# Altium PCB Annotated_PCB.PcbDoc (part 1 of 4)
Units mil, origin at the board's own origin, x right, y up, seen from the top; angles counter-clockwise.
Board outline 5551.18 x 866.13 mil, 4 copper layers (Top Layer, Mid-Layer 1, Mid-Layer 2, Bottom Layer); 219 components, 0 nets, 672 pads, 868 vias.
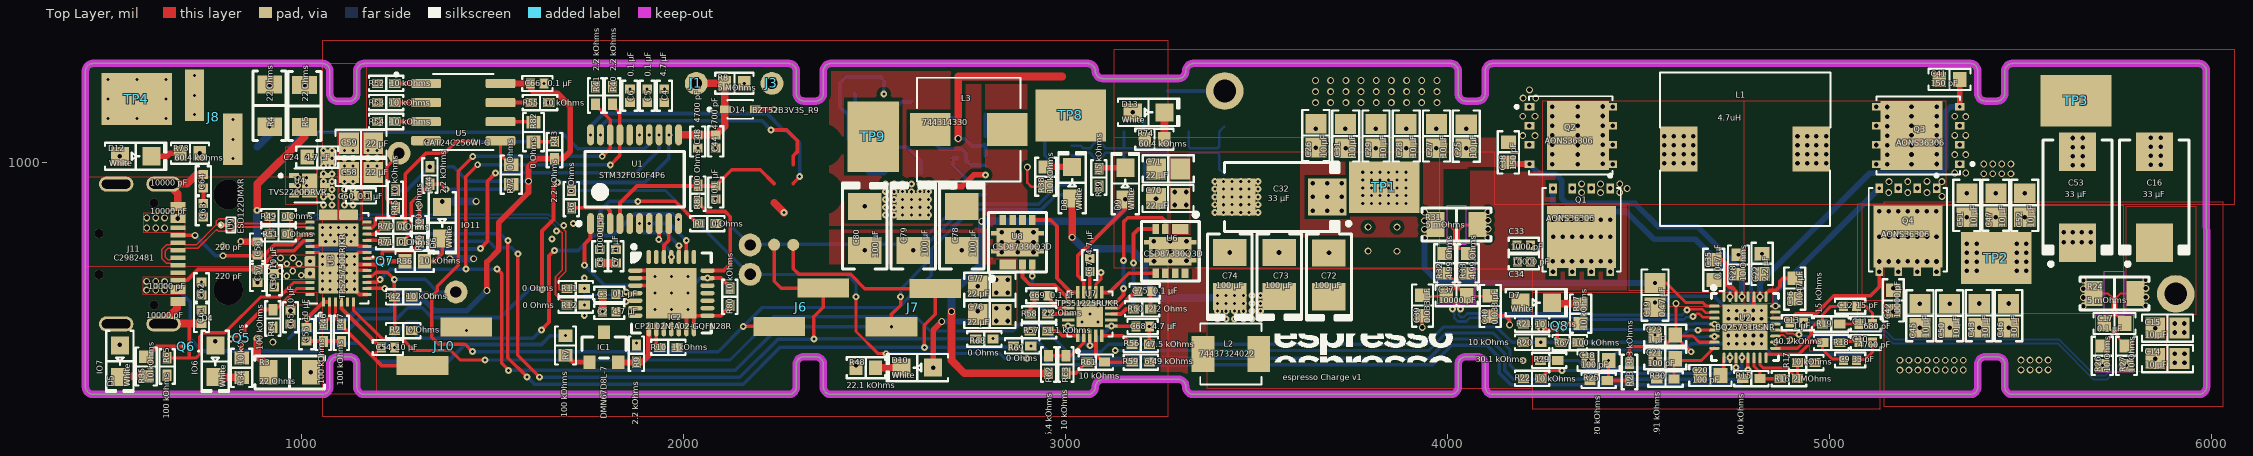
[diagram p0: Top Layer view]
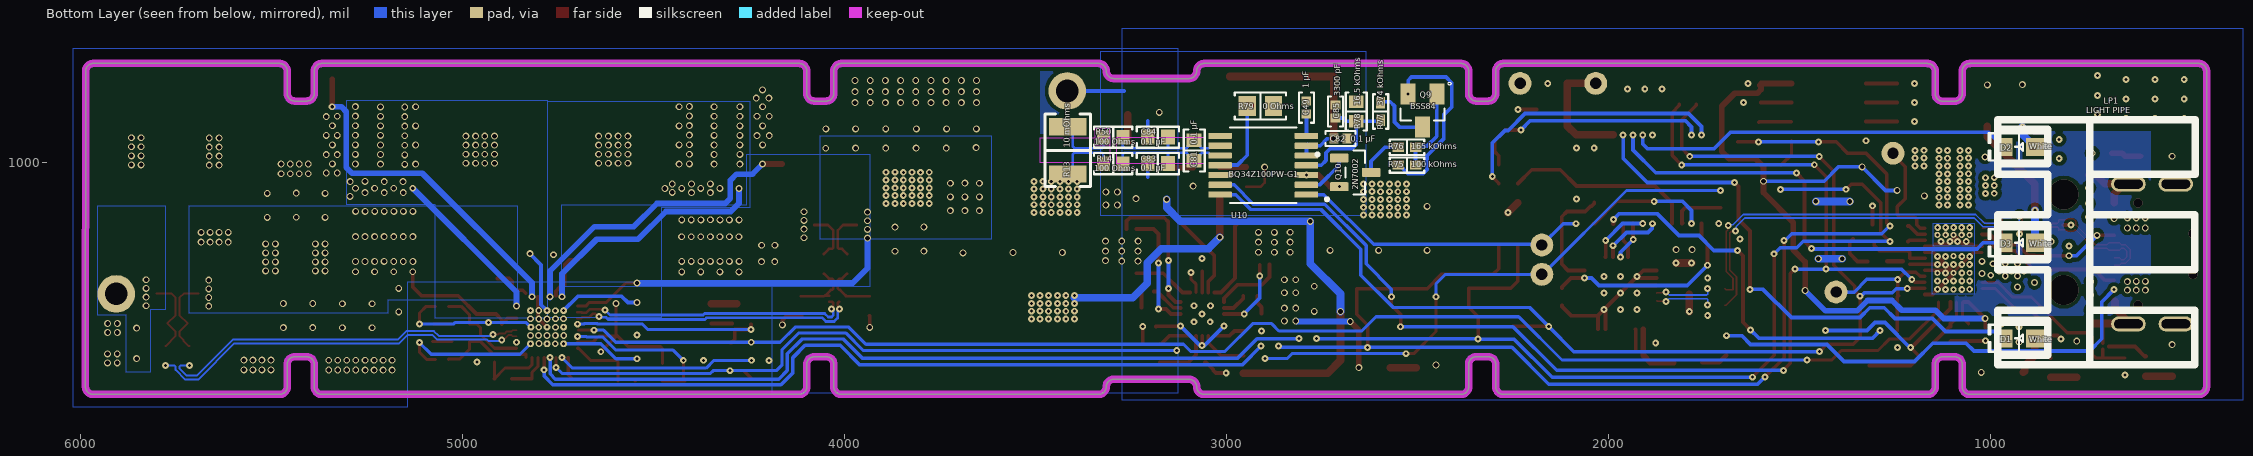
[diagram p1: Bottom Layer view, seen from below]
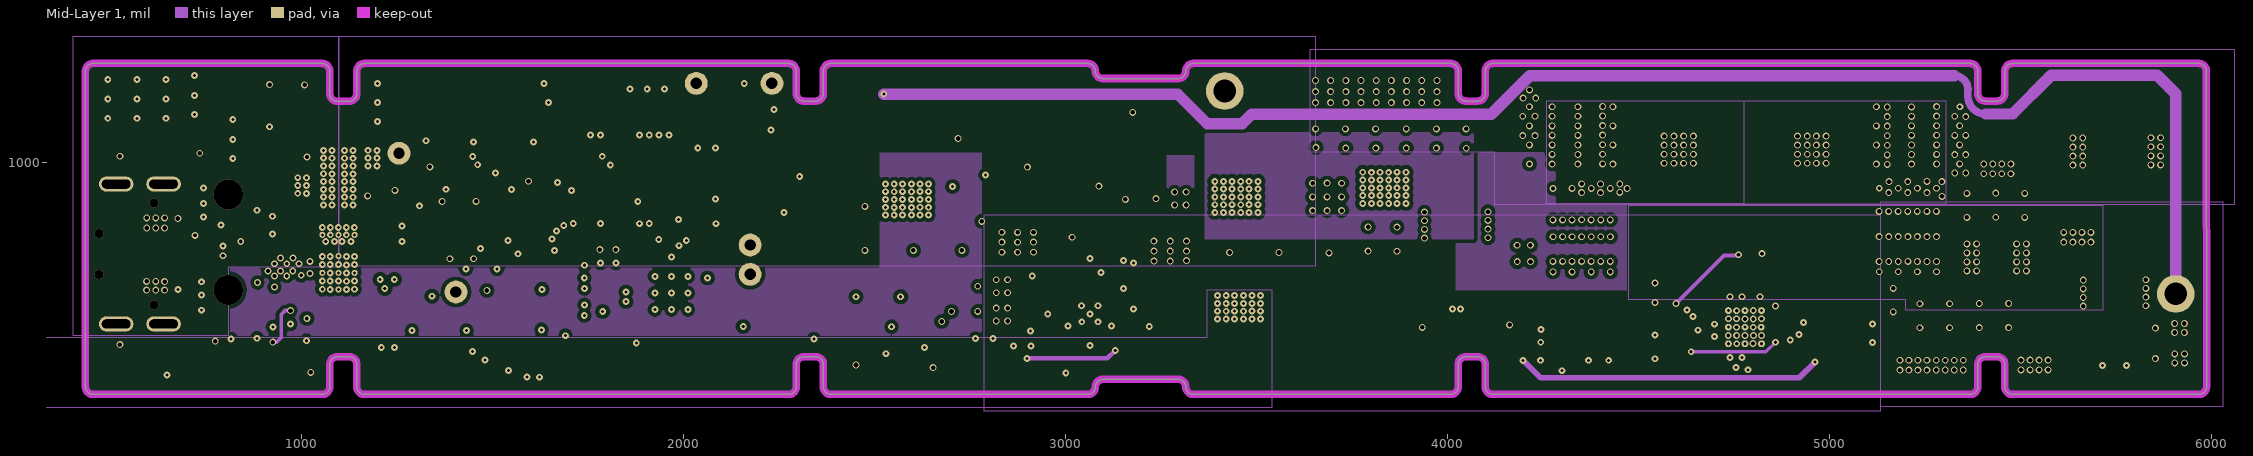
[diagram p2: Mid-Layer 1]
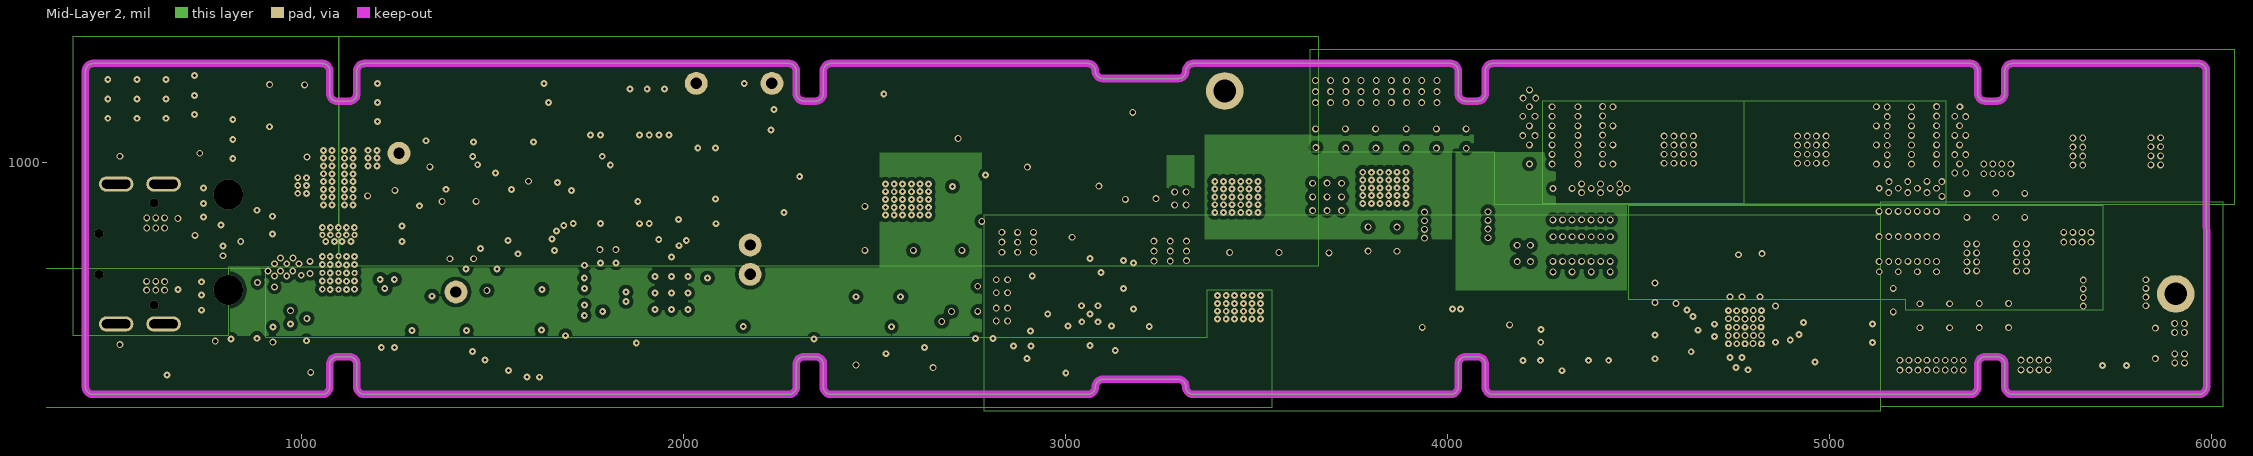
[diagram p3: Mid-Layer 2]

## Layer stack, top to bottom
Top Solder: solder mask 0.4, Solder Resist, Dk 3.5
Top Layer: signal copper 1.4
Dielectric 1: dielectric 12.6, FR-4, Dk 4.8
Mid-Layer 1: signal copper 1.4
Dielectric2: dielectric 12.6, FR-4, Dk 4.8
Mid-Layer 2: signal copper 1.4
Dielectric3: dielectric 12.6, FR-4, Dk 4.8
Bottom Layer: signal copper 1.4
Bottom Solder: solder mask 0.4, Solder Resist, Dk 3.5

## Board outline
455.11,394.02 1055.11,394.02 ccw(c1055.11,413.71) 1074.8,413.71 1074.79,413.71 1074.79,472.76 cw(c1094.48,472.76) 1094.48,492.45 1125.97,492.45 cw(c1125.97,472.76) 1145.66,472.76 1145.66,472.39 1145.66,413.71 ccw(c1165.34,413.71) 1165.34,394.02 2276.07,394.02 ccw(c2276.07,413.71) 2295.76,413.71 2295.75,413.71 2295.75,472.76 cw(c2315.44,472.76) 2315.44,492.45 2346.94,492.45 2346.93,492.45 cw(c2346.93,472.76) 2366.62,472.76 2366.62,413.71 ccw(c2386.3,413.71) 2386.3,394.02 3058.75,394.02 3058.78,393.99 ccw(c3058.78,413.68) 3078.46,413.68 cw(c3098.15,413.68) 3098.15,433.36 3295.62,433.36 cw(c3295.62,413.68) 3315.3,413.68 ccw(c3334.99,413.68) 3334.99,393.99 4008.32,393.99 4008.32,394.02 ccw(c4008.32,413.71) 4028.01,413.71 4028,413.71 4028,472.76 cw(c4047.69,472.76) 4047.69,492.45 4079.19,492.45 cw(c4079.19,472.76) 4098.87,472.76 4098.87,413.71 ccw(c4118.56,413.71) 4118.56,394.02 5368.1,394.02 ccw(c5368.1,413.71) 5387.78,413.71 5387.78,472.76 cw(c5407.46,472.76) 5407.46,492.45 5438.96,492.45 cw(c5438.96,472.76) 5458.65,472.76 5458.65,413.71 ccw(c5478.33,413.71) 5478.33,394.02 5966.92,394.02 ccw(c5966.92,413.71) 5986.6,413.71 5986.17,1240.44 ccw(c5966.53,1240.44) 5966.53,1260.08 5478.33,1260.08 5478.33,1260.04 ccw(c5478.33,1240.4) 5458.69,1240.4 5458.65,1240.44 5458.65,1181.38 5458.61,1181.38 cw(c5438.96,1181.38) 5438.96,1161.74 5438.96,1161.7 5407.47,1161.7 5407.43,1161.74 cw(c5407.43,1181.38) 5387.78,1181.38 5387.78,1240.44 5387.74,1240.44 ccw(c5368.1,1240.44) 5368.1,1260.08 4118.56,1260.08 ccw(c4118.56,1240.44) 4098.91,1240.44 4098.87,1240.48 4098.87,1181.42 4098.83,1181.42 cw(c4079.19,1181.42) 4079.19,1161.78 4079.19,1161.74 4047.69,1161.74 4047.65,1161.78 cw(c4047.65,1181.42) 4028,1181.42 4028,1240.48 4027.96,1240.48 ccw(c4008.32,1240.48) 4008.32,1260.12 3334.99,1260.12 ccw(c3334.99,1240.44) 3315.3,1240.44 cw(c3295.62,1240.44) 3295.62,1220.75 3098.15,1220.75 cw(c3098.15,1240.44) 3078.46,1240.44 ccw(c3058.78,1240.44) 3058.78,1260.12 2386.3,1260.12 ccw(c2386.3,1240.44) 2366.62,1240.44 2366.62,1181.38 cw(c2346.94,1181.38) 2346.94,1161.7 2315.44,1161.7 cw(c2315.44,1181.38) 2295.76,1181.38 2295.75,1181.75 2295.75,1240.44 2295.76,1240.44 ccw(c2276.07,1240.44) 2276.07,1260.12 1165.34,1260.12 1165.34,1259.83 ccw(c1165.34,1240.15) 1145.65,1240.15 1145.66,1240.15 1145.66,1181.09 cw(c1125.97,1181.09) 1125.97,1161.41 1094.48,1161.41 cw(c1094.48,1181.09) 1074.79,1181.09 1074.79,1181.46 1074.79,1240.15 ccw(c1055.11,1240.15) 1055.11,1259.83 1055.11,1260.08 455.11,1260.08 ccw(c455.11,1240.43) 435.46,1240.43 435.46,413.75 435.42,413.71 ccw(c455.11,413.71)

## Design rules (kind name [scope] priority, off if disabled: settings)
Clearance [All] p1: gap=10 ignorepadtopadclearanceinfootprint=FALSE except(0: Arc-Hole Track-Hole SMDPad-Hole THPad-Hole Via-Hole Fill-Hole Poly-Hole Region-Hole Text-Hole)
PolygonConnect [All] p1: connectstyle=Relief reliefconductorwidth=10 reliefentries=4 polygonreliefangle="90 Angle" airgapwidth=10
RoutingVias [All] p1: holewidth=28 width=50 viastyle="Through Hole" minholewidth=28 minwidth=50 maxholewidth=28 maxwidth=50
SolderMaskExpansion [All] p1: expansion=4
Width [All] p1: maxlimit=10 minlimit=10 preferedwidth=10
30 further rules are at their usual default settings.

## Components (designator, comment, footprint, x,y, rotation, side; value= is the part's Value field where it differs from the comment)
C1 "0.1 µF" "CAP 0402_1005" 2084.77,922.47 r90 top
C2 "4.7 µF" "CAP 0402_1005" 1806.44,610.75 r0 top
C3 "0.1 µF" "CAP 0402_1005" 1806.44,655.75 r0 top
C4 "4.7 µF" "CAP 0402_1005" 1950.57,1175.47 r270 top
C5 "0.1 µF" "CAP 0402_1005" 1905.57,1175.47 r270 top
C6 "0.1 µF" "CAP 0402_1005" 1860.57,1175.47 r270 top
C7 "1 µF" "CAP 0402_1005" 1823.76,755.52 r90 top
C8 "10000 pF" "CAP 0402_1005" 1781.74,755.52 r90 top
C9 "33 pF" "CAP 0402_1005" 5053.73,483.83 r180 top
C10 "4700 pF" "CAP 0402_1005" 5094.86,530.09 r180 top
C11 "680 pF" "CAP 0402_1005" 5094.87,578.27 r180 top
C12 "15 pF" "CAP 0402_1005" 5053.73,624.53 r180 top
C13 "1 µF" "CAP 0402_1005" 4914.36,581.75 r0 top
C14 "10 µF" "CAP 0805_2012" 5884.3,487.64 r180 top
C15 "10 µF" "CAP 0805_2012" 5884.3,567.37 r180 top
C16 "33 µF" "CAP POL 2917_7343" 5849.99,910.42 r90 top
C17 "0.1 µF" "CAP 0603_1608" 5745.56,579.71 r0 top
C18 "100 pF" "CAP 0603_1608" 4395.44,483.26 r0 top
C19 "0.47 µF" "CAP 0805_2012" 4543.3,653.99 r90 top
C20 "100 pF" "CAP 0603_1608" 4687.98,443.49 r0 top
C21 "100 pF" "CAP 0603_1608" 4569.87,487.31 r0 top
C22 "2.2 µF" "CAP 0603_1608" 4823.43,735.69 r270 top
C23 "1 µF" "CAP 0603_1608" 4569.87,548.99 r0 top
C24 "4.7 µF" "CAP 0603_1608" 1041.99,1015.07 r0 top
C25 "10 µF" "CAP 0805_2012" 4049.21,1069.76 r270 top
C26 "10 µF" "CAP 0805_2012" 3655.71,1071.35 r270 top
C27 "10 µF" "CAP 0805_2012" 3971.17,1070.21 r270 top
C28 "10 µF" "CAP 0805_2012" 3892,1070.21 r270 top
C29 "10 µF" "CAP 0805_2012" 3812.84,1070.21 r270 top
C30 "10 µF" "CAP 0402_1005" 929.85,692.77 r270 top
C31 "10 µF" "CAP 0805_2012" 3733.68,1070.21 r270 top
C32 "33 µF" "CAP POL 2917_7343" 3565.99,910.78 r180 top
C33 "1000 pF" "CAP 0402_1005" 4199.76,784.25 r0 top
C34 "10000 pF" "CAP 0402_1005" 4199.99,741.38 r0 top
C35 "0.047 µF" "CAP 0603_1608" 4696.99,719.99 r270 top
C36 "0.047 µF" "CAP 0603_1608" 4908.99,670.99 r270 top
C37 "10000 pF" "CAP 0603_1608" 4023.61,652.3 r180 top
C38 "150 pF" "CAP 0603_1608" 4159.44,1027.55 r270 top
C39 "0.033 µF" "CAP 0603_1608" 3934.7,626.41 r90 top
C40 "0.033 µF" "CAP 0603_1608" 4111.99,625.52 r90 top
C41 "150 pF" "CAP 0603_1608" 5313.97,1218.49 r0 top
C42 "10000 pF" "CAP 0603_1608" 5166.79,639.99 r90 top
C43 "10 µF" "CAP 0805_2012" 5391.78,600.3 r90 top
C44 "4700 pF" "CAP 0402_1005" 2084.78,1056.09 r90 top
C45 "10 µF" "CAP 0805_2012" 5236.27,599.82 r90 top
C46 "10 µF" "CAP 0805_2012" 5468.55,600.3 r90 top
C47 "10 µF" "CAP 0805_2012" 5435.03,889.11 r270 top
C48 "4700 pF" "CAP 0402_1005" 2037.99,1055.99 r90 top
C49 "1 µF" "CAP 0402_1005" 2791.17,1144.6 r270 bottom
C50 "10 µF" "CAP 0805_2012" 5314.03,599.82 r90 top
C51 "10 µF" "CAP 0805_2012" 5359.24,888.77 r270 top
C52 "10 µF" "CAP 0805_2012" 5510.82,888.77 r270 top
C53 "33 µF" "CAP POL 2917_7343" 5648.99,910.42 r90 top
C54 "10 µF" "CAP 0402_1005" 1226.99,516.72 r180 top
C55 "10 µF" "CAP 0402_1005" 1013.99,551.67 r90 top
C56 "220 pF" "CAP 0402_1005" 885.82,775.58 r90 top
C57 "220 pF" "CAP 0402_1005" 885.82,703.86 r270 top
C58 "22 µF" "CAP 0805_2012" 1156.62,974.6 r180 top
C59 "22 µF" "CAP 0805_2012" 1156.62,1051.37 r180 top
C60 "0.1 µF" "CAP 0402_1005" 1156.49,913.57 r0 top
C61 "10000 pF" "CAP 0402_1005" 739.15,596.99 r90 top
C62 "10000 pF" "CAP 0402_1005" 738.99,671.42 r270 top
C63 "10000 pF" "CAP 0402_1005" 743.99,875.99 r90 top
C64 "10000 pF" "CAP 0402_1005" 743.99,951.99 r270 top
C65 "10 µF" "CAP 0402_1005" 971.99,595.99 r270 top
C66 "0.1 µF" "CAP 0402_1005" 1618.1,1207.67 r180 top
C67 "4.7 µF" "CAP 0402_1005" 3063.97,732.73 r270 top
C68 "4.7 µF" "CAP 0402_1005" 3202.25,571.82 r180 top
C69 "0.1 µF" "CAP 0402_1005" 2936.91,651.93 r180 top
C70 "22 µF" "CAP 0805_2012" 3268.69,906.49 r0 top
C71 "22 µF" "CAP 0805_2012" 3269.18,984.24 r0 top
C72 "100 µF" "CAP POL 1411_3528" 3689.87,706.99 r90 top
C73 "100 µF" "CAP POL 1411_3528" 3559.2,707.9 r90 top
C74 "100 µF" "CAP POL 1411_3528" 3429.99,707.9 r90 top
C75 "0.1 µF" "CAP 0402_1005" 3207.49,664.17 r0 top
C76 "22 µF" "CAP 0805_2012" 2802.23,603.34 r0 top
C77 "22 µF" "CAP 0805_2012" 2802.23,677.16 r0 top
C78 "100 µF" "CAP POL 1411_3528" 2729.32,828.5 r270 top
C79 "100 µF" "CAP POL 1411_3528" 2602.35,828.5 r270 top
C80 "100 µF" "CAP POL 1411_3528" 2475.38,828.5 r270 top
C81 "0.1 µF" "CAP 0603_1608" 3084.99,1032.22 r270 bottom
C82 "0.1 µF" "CAP 0402_1005" 2701.99,1063.71 r0 bottom
C83 "0.1 µF" "CAP 0603_1608" 3179.99,997.92 r180 bottom
C84 "0.1 µF" "CAP 0603_1608" 3179.99,1067.22 r180 bottom
C85 "3300 pF" "CAP 0402_1005" 2714.99,1134.37 r270 bottom
D1 "White" "LED 0805_2012" 926.05,540.86 r0 bottom
D2 "White" "LED 0805_2012" 926.05,1041.84 r0 bottom
D3 "White" "LED 0805_2012" 926.05,790.86 r0 bottom
D4 "White" "LED 0805_2012" 775.19,480.31 r270 top
D5 "White" "LED 0805_2012" 525.54,480.81 r270 top
D6 "White" "LED 0805_2012" 1368.99,842.99 r270 top
D7 "White" "LED 0805_2012" 4232.38,633.9 r0 top
D8 "White" "LED 0805_2012" 3017.71,947.82 r90 top
D9 "White" "LED 0805_2012" 3156.95,945.8 r90 top
D10 "White" "LED 0805_2012" 2612.68,463.99 r180 top
D12 "White" "LED 0805_2012" 566.88,1017.24 r0 top
D13 "White" "LED 0805_2012" 3217.72,1132.15 r0 top
D14 "BZT52B3V3S_R9" DIO_BZT52B3V3S_R9 2148.99,1139.99 r0 top
IC1 "DMN67D8L-7" "DIODES SOT-23-3" 1792.42,517.12 r90 top
IC2 "CP2102N-A02-GQFN28R" "SILICON LABS QFN-28 5x5MM" 1968.87,659.12 r0 top
J1 "Large Board Solder Point" "LARGE SOLDER POINT" 2033.99,1207.99 r0 top
J3 "Large Board Solder Point" "LARGE SOLDER POINT" 2231.98,1207.99 r0 top
J6 "TSM-102-01-L-SV" TSM-102-01-L-SV 2308.99,621.99 r270 top
J7 "TSM-102-01-L-SV" TSM-102-01-L-SV 2602.35,620.99 r270 top
J8 "TSM-102-01-L-SV" TSM-102-01-L-SV 770.99,1119.08 r180 top
J10 "TSM-102-01-L-SV" TSM-102-01-L-SV 1374.99,519.99 r90 top
J11 "C2982481" GT-USB-7079A 614.19,761.44 r270 top
L1 "4.7uH" BMQADY1010404R7MA1 4778.99,1035.99 r0 top
L2 "74437324022" IND_74437324022 3432.99,499.99 r0 top value=2.2µH
L3 "744314330" IND_744314330 2747.04,1086.96 r180 top value=3.3µH
LP1 "LIGHT PIPE" "Dialight 515-1069F" 809.05,667.31 r270 bottom locked
Q1 "AONS36306" "DFN 5x6" 4351.17,824.6 r270 top
Q2 "AONS36306" "DFN 5x6" 4323.02,1071.84 r0 top
Q3 "AONS36306" "DFN 5x6" 5232.47,1071.79 r180 top
Q4 "AONS36306" "DFN 5x6" 5204.91,824.94 r270 top
Q5 "CSD15380F3T" TRXDFN69X60X35-3N 844.48,541.33 r270 top
Q6 "CSD15380F3T" TRXDFN69X60X35-3N 699.99,518.99 r180 top
Q7 "CSD15380F3T" TRXDFN69X60X35-3N 1218.99,741.99 r0 top
Q8 "CSD15380F3T" TRXDFN69X60X35-3N 4294.28,570.86 r90 top
Q9 "BSS84" SOT95P240X120-3N 2487.39,1136.68 r0 bottom
Q10 "2N7002" SOT95P240X111-3N 2663.59,974.99 r180 bottom
R1 "0 Ohms" "RES 0402_1005" 2062.99,840.76 r180 top
R2 "0 Ohms" "RES 0402_1005" 1266.99,560.99 r0 top
R3 "22 Ohms" "RES 1206_3216" 970.07,451.76 r0 top
R4 "22 Ohms" "RES 1206_3216" 917.57,1149.54 r90 top
R5 "22 Ohms" "RES 1206_3216" 1008.93,1148.99 r90 top
R6 "0 Ohms" "RES 0402_1005" 1706.99,904.99 r270 top
R7 "100 kOhms" "RES 0603_1608" 1691.99,521.99 r270 top
R8 "5 MOhms" "RES 0603_1608" 2133.99,1208.15 r180 top
R9 "2.2 kOhms" "RES 0402_1005" 1877.07,500.51 r270 top
R10 "1 kOhms" "RES 0402_1005" 1960.87,517.12 r180 top
R11 "0 Ohms" "RES 0402_1005" 1718.49,670.93 r0 top
R12 "0 Ohms" "RES 0402_1005" 1718.49,627.63 r0 top
R13 "10 mOhms" "RES 1210_3225" 3415.81,1032.84 r90 bottom
R14 "100 Ohms" "RES 0603_1608" 3296.99,997.92 r0 bottom
R15 "300 kOhms" "RES 0402_1005" 4795.27,435.03 r0 top
R16 "2 MOhms" "RES 0402_1005" 4893.69,435.03 r0 top
R17 "10 kOhms" "RES 0402_1005" 4938.97,477.34 r180 top
R18 "40.2 kOhms" "RES 0402_1005" 5004.52,530.09 r180 top
R19 "15 kOhms" "RES 0402_1005" 5004.32,578.27 r180 top
R20 "10 kOhms" "RES 0402_1005" 4221.45,530.5 r180 top
R21 "10 kOhms" "RES 0402_1005" 4221.45,577.75 r180 top
R22 "10 kOhms" "RES 0402_1005" 4221.45,436.01 r180 top
R23 "383 kOhms" "RES 0402_1005" 4476.37,452.75 r90 top
R24 "5 mOhms" "RES 1206_3216" 5745.56,658.45 r0 top
R25 "220 kOhms" "RES 0402_1005" 4395.75,430.44 r0 top
R26 "10 Ohms" "RES 0603_1608" 5714.06,495.07 r90 top
R27 "10 Ohms" "RES 0603_1608" 5777.05,495.07 r90 top
R28 "10 Ohms" "RES 0603_1608" 4761.86,733.82 r90 top
R29 "30.1 kOhms" "RES 0402_1005" 4266.17,483.26 r180 top
R30 "191 kOhms" "RES 0402_1005" 4570.45,434.12 r0 top
R31 "5 mOhms" "RES 1206_3216" 4023.61,838.29 r0 top
R32 "4.99 Ohms" "RES 0603_1608" 3993.1,736.91 r90 top
R33 "4.99 Ohms" "RES 0603_1608" 4054.12,736.91 r90 top
R34 "10 kOhms" "RES 0603_1608" 844.08,463.57 r270 top
R35 "10 kOhms" "RES 0603_1608" 594.44,467.06 r270 top
R36 "10 kOhms" "RES 0603_1608" 1296.99,742.12 r0 top
R37 "10 kOhms" "RES 0603_1608" 4348.42,605.3 r90 top
R38 "10 kOhms" "RES 0603_1608" 2948.81,963.57 r90 top
R39 "15 kOhms" "RES 0402_1005" 3087.59,961.6 r90 top
R40 "2.2 kOhms" "RES 0402_1005" 1814.95,1176.17 r90 top
R41 "2.2 kOhms" "RES 0402_1005" 1770.66,1176.17 r90 top
R42 "10 kOhms" "RES 0402_1005" 1267.01,649.16 r0 top
R43 "2.2 kOhms" "RES 0402_1005" 1662.99,1033.2 r270 top
R44 "2.2 kOhms" "RES 0402_1005" 1336.99,966.99 r90 top
R45 "10 kOhms" "RES 0402_1005" 1246.27,905.35 r90 top
R46 "100 kOhms" "RES 0402_1005" 1057.99,554.99 r90 top
R47 "100 kOhms" "RES 0402_1005" 1105.3,554.99 r90 top
R48 "22.1 kOhms" "RES 0603_1608" 2477.68,463.99 r0 top
R49 "0 Ohms" "RES 0402_1005" 940.82,859.24 r180 top
R50 "100 Ohms" "RES 0603_1608" 3296.99,1067.22 r0 bottom
R51 "0 Ohms" "RES 0402_1005" 940.82,813.95 r180 top
R52 "10 kOhms" "RES 0402_1005" 1222.43,1207.86 r180 top
R53 "10 kOhms" "RES 0402_1005" 1222.43,1157.47 r180 top
R54 "10 kOhms" "RES 0402_1005" 1222.43,1108.26 r180 top
R55 "10 kOhms" "RES 0402_1005" 1624.99,1157.47 r0 top
R56 "47.5 kOhms" "RES 0402_1005" 3197.25,525.26 r180 top
R57 "51.1 kOhms" "RES 0402_1005" 2930.99,560.3 r0 top
R58 "2.2 Ohms" "RES 0402_1005" 2931.29,604.87 r180 top
R59 "6.49 kOhms" "RES 0402_1005" 3197.48,478.21 r0 top
R60 "2.2 Ohms" "RES 0402_1005" 3200.99,617.82 r0 top
R61 "10 kOhms" "RES 0402_1005" 3079.71,478.21 r180 top
R62 "15.4 kOhms" "RES 0402_1005" 2956.08,472.36 r270 top
R63 "10 kOhms" "RES 0402_1005" 3001.08,472.35 r270 top
R64 "100 kOhms" "RES 0402_1005" 925.99,592.73 r90 top
R65 "100 kOhms" "RES 0402_1005" 648.99,467.06 r90 top
R66 "100 kOhms" "RES 0402_1005" 1309.99,815.93 r270 top
R67 "100 kOhms" "RES 0402_1005" 4319.99,529.69 r180 top
R68 "0 Ohms" "RES 0402_1005" 2787.99,538.99 r0 top
R69 "0 Ohms" "RES 0402_1005" 2886.99,520.99 r0 top
R70 "0 Ohms" "RES 0402_1005" 1240.99,834.99 r180 top
R71 "0 Ohms" "RES 0402_1005" 1240.99,793.99 r180 top
R72 "0 Ohms" "RES 0603_1608" 1549.99,969.31 r270 top
R73 "60.4 kOhms" "RES 0603_1608" 708.99,1025.12 r180 top
R74 "60.4 kOhms" "RES 0603_1608" 3233.14,1061.99 r0 top
R75 "100 kOhms" "RES 0402_1005" 2527.99,994.15 r0 bottom
R76 "165 kOhms" "RES 0402_1005" 2527.99,1040.83 r180 bottom
R77 "374 kOhms" "RES 0402_1005" 2596.99,1134.37 r90 bottom
R78 "16.5 kOhms" "RES 0603_1608" 2660.99,1134.37 r270 bottom
R79 "0 Ohms" "RES 0805_2012" 2911.53,1148.99 r0 bottom
R80 "10 kOhms" "RES 0402_1005" 2121.99,649.27 r90 top
R81 "100 Ohms" "RES 0402_1005" 2037.99,918.99 r90 top
R82 "0 Ohms" "RES 0603_1608" 1607.86,1080.53 r270 top
TP1 "5016" KEYSTONE_5016 3834.44,935.82 r180 top
TP2 "5016" KEYSTONE_5016 5436.01,750.97 r0 top
TP3 "5016" KEYSTONE_5016 5644.99,1162.99 r180 top
TP4 "5016" KEYSTONE_5016 569.99,1166.99 r0 top
TP8 "5016" KEYSTONE_5016 3013.99,1123.99 r180 top
TP9 "5016" KEYSTONE_5016 2497.04,1068.59 r270 top
U1 "STM32F030F4P6" TSOP65P640X120-20N 1872.62,957.13 r90 top
U2 "BQ25731RSNR" QFN40P400X400X80_HS-33N 4778.53,569.87 r0 top
U3 "TPS25750DRJKR" IC_TPS25750DRJKR 1097.62,750.16 r90 top
U4 "TVS2200DRVR" SON65P200X200X80-7N 1021.64,940.93 r0 top
U5 "CAT24C256WI-G" SOIC127P600X175-8N 1424.2,1132.86 r0 top
U6 "CSD87330Q3D" Q3D 3274.6,769.05 r90 top
U7 "TPS51225RUKR" QFN40P300X300X80-21N 3063.97,604.32 r90 top
U8 "CSD87330Q3D" Q3D 2874.9,792.31 r270 top
U9 "ESD122DMXR" IC_ESD122DMXR 815.99,837.18 r0 top
U10 "BQ34Z100PW-G1" SOP65P640X120-14N 2904.17,993.66 r0 bottom

## Footprints (in the part's own frame and the unit in brackets; to place one, negate y for a bottom-side part, rotate by r counter-clockwise, add the part's x,y. Pads: shape width x height; smd on the part's side, far side on the other; paste and mask are expansions set on the pad)
BMQADY1010404R7MA1 [mm]
  rect 2.5x3 smd: 1(-4.4,0) 2(4.4,0)
  silkscreen extent -5.65,-5.1 5.68,5.1, body extent -5.65,-5.1 5.65,5.1, height 3.8
"CAP 0402_1005" [mm] "Chip Capacitor, 2-Leads, Body 1.02x0.51mm, IPC Medium Density"
  rect 0.6x0.64 smd: 1(-0.44,0) 2(0.44,0)
  silkscreen extent -1,-0.5 1,0.5, body extent -0.5,-0.26 0.5,0.26, height 0.52
"CAP 0603_1608" [mm] "Chip Capacitor, 2-Leads, Body 1.60x0.80mm, IPC Medium Density"
  rect 0.9x1 smd: 1(-0.675,0) 2(0.675,0)
  silkscreen extent -1.4,-0.7 1.4,0.7, body extent -0.8,-0.41 0.8,0.41, height 0.82
"CAP 0805_2012" [mm] "Chip Capacitor, 2-Leads, Body 2.00x1.20mm, IPC Medium Density"
  rect 1.3x1.4 smd: 1(-0.8,0) 2(0.8,0)
  silkscreen extent -1.7,-0.9 1.7,0.9, body extent -1,-0.64 1,0.64, height 1.26
"CAP POL 1411_3528" [mm] "Molded Capacitor, 2-Leads, Body 3.50x2.80mm, IPC Medium Density"
  rect 1.8x2.23 smd: 1(-1.46,0) 2(1.46,0)
  silkscreen extent -3,-1.5 2.71,1.48, body extent -1.87,-1.45 1.86,1.45, height 2
"CAP POL 2917_7343" [mm] "Molded Capacitor, 2-Leads, Body 7.30x4.30mm, IPC Medium Density"
  rect 2.55x2.45 smd: 1(-3.025,0) 2(3.025,0)
  silkscreen extent -4.57,-2.3 3.8,2.3, body extent -3.65,-2.15 3.65,2.15, height 4.1
"DFN 5x6" [mm]
  rect 4.12x4.6 smd paste-3: D(0.46,0)
  rect 0.55x0.5 smd: D(2.795,1.905) D(2.795,-0.635) D(2.795,0.635) D(2.795,-1.905)
  rect 0.65x0.5 smd: G(-2.755,-1.905) S(-2.755,1.905) S(-2.755,-0.635) S(-2.755,0.635)
  silkscreen extent -3.7,-2.6 2.78,2.6, body extent -3.02,-2.75 3.03,2.75, height 0.95
"Dialight 515-1069F" [mil]
  silkscreen extent -445,-172 195,344
DIO_BZT52B3V3S_R9 [mm]
  rect 0.7x0.5 smd: A(1,0) C(-1,0)
  silkscreen extent -2.15,-0.63 0.85,0.63, body extent -1.25,-0.63 1.25,0.63, height 1.1
"DIODES SOT-23-3" [mm] "SOT23, 3-Leads, Body 2.90x2.40mm, Pitch 0.95mm, IPC Medium Density"
  rect 0.9x0.8 smd: 1(-1,0.95) 2(-1,-0.95) 3(1,0)
  silkscreen extent -0.7,-1.45 0.7,1.45, body extent -1.41,-1.45 1.41,1.45, height 1.5
GT-USB-7079A [mm]
  rrect100% 1x2.3 hole 1.9 slot 0.6 at 0 deg: 13(-4.65,0.65) 13(4.65,0.65) 14(-4.65,-2.5) 14(4.65,-2.5)
  rect 0.6x1 smd: A1(-3.16,1.6) A4(-2.36,1.6) A9(2.36,1.6) A12(3.16,1.6)
  rect 0.3x1 smd: A5(-1.25,1.6) A6(-0.75,1.6) A7(0.25,1.6) A8(1.25,1.6) B5(1.75,1.6) B6(0.75,1.6) B7(-0.25,1.6) B8(-1.75,1.6)
  body extent -5,-6 5,2.65, height 3.7
IC_ESD122DMXR [mm]
  rrect50% 0.2x0.2 smd mask+0: 1(-0.15,0) 2(0.15,-0.34) 3(0.15,0.34)
  silkscreen extent -0.75,-0.5 0.3,0.5, body extent -0.5,-0.3 0.5,0.3, height 0.4
IC_TPS25750DRJKR [mm]
  rrect40% 0.6x0.2 smd mask+0: 1(-2.9,1) 2(-2.9,0.6) 3(-2.9,0.2) 4(-2.9,-0.2) 5(-2.9,-0.6) 6(-2.9,-1)
  rrect40% 0.2x0.6 smd mask+0: 7(-2.4,-1.9) 8(-2,-1.9) 9(-1.6,-1.9) 10(-1.2,-1.9) 11(-0.8,-1.9) 12(-0.4,-1.9) 13(0,-1.9) 14(0.4,-1.9) 15(0.8,-1.9) 16(1.2,-1.9) 17(1.6,-1.9) 18(2,-1.9) 19(2.4,-1.9) 26(2.4,1.9) 27(2,1.9) 28(1.6,1.9) 29(1.2,1.9) 30(0.8,1.9) 31(0.4,1.9) 36(-1.6,1.9) 37(-2,1.9) 38(-2.4,1.9)
  rrect25% 0.7x1.253 smd paste-2 mask+0: 20_22(2.9,-0.677) 23_25(2.9,0.677)
  rrect25% 0.7x0.7 smd paste-1 mask+0: 32_33(-0.2,1.9) 34_35(-1,1.9)
  round 0.4 hole 0.2 mask+0: 39(-2.075,0) 39(-0.965,-1.075) 39(-0.965,0) 39(-0.965,1.075) 39(0.145,0) 40(1.56,-1.075) 40(1.56,0) 40(1.56,1.075)
  rrect5% 2.72x2.65 smd paste-2: 39(-0.965,0)
  rrect5% 1.53x2.65 smd paste-2: 40(1.56,0)
  silkscreen extent -3.85,-2 3,2
IND_744314330 [mm]
  rect 2.7x2.2 smd: 1(-2.55,0) 2(2.55,0)
  silkscreen extent -3.45,-3.45 3.45,3.45, body extent -3.45,-3.5 3.45,3.5, height 4.9
IND_74437324022 [mm]
  rect 1.5x2.4 smd: 1(-1.85,0) 2(1.85,0)
  silkscreen extent -2.03,-2.03 2.03,2.03
KEYSTONE_5016 [mm]
  rect 4.7x3.43 smd: TP(0,0)
  body extent -1.91,-1.42 1.91,1.42, height 2.29
"LARGE SOLDER POINT" [mil]
  round 60 hole 30: 1(0,0)
"LED 0805_2012" [mm] "Chip Diode, 2-Leads, Body 2.00x1.25mm, IPC Medium Density"
  rect 1.2x1.2 smd: 1(-1.05,0) 2(1.05,0)
  silkscreen extent -2.03,-0.9 2.03,0.9, body extent -1,-0.63 1,0.63, height 0.9
Q3D [mm] "Q3D"
  rect 0.65x1.09 smd mask+0.05: 1(1.475,-0.65)
  rect 0.65x0.44 smd mask+0.05: 3(1.475,0.325) 4(1.475,0.975) 5(-1.475,0.975) 6(-1.475,0.325) 7(-1.475,-0.325) 8(-1.475,-0.975)
  rect 0.3x0.35 smd mask+0.05: 9(-0.6,1.575) 9(-0.6,-1.575) 9(0.6,1.575) 9(0.6,-1.575)
  rect 1.9x2.8 smd paste-1 mask+0.05: 9(0,0)
  silkscreen extent -1.97,-1.92 2.45,1.92, body extent -1.7,-1.7 1.7,1.7, height 1.5
QFN40P300X300X80-21N [mm]
  rrect25% 0.83x0.22 smd: 1(-1.44,0.8) 2(-1.44,0.4) 3(-1.44,0) 4(-1.44,-0.4) 5(-1.44,-0.8) 11(1.44,-0.8) 12(1.44,-0.4) 13(1.44,0) 14(1.44,0.4) 15(1.44,0.8)
  rrect25% 0.22x0.83 smd: 6(-0.8,-1.44) 7(-0.4,-1.44) 8(0,-1.44) 9(0.4,-1.44) 10(0.8,-1.44) 16(0.8,1.44) 17(0.4,1.44) 18(0,1.44) 19(-0.4,1.44) 20(-0.8,1.44)
  rect 1.75x1.75 smd paste-0.325: 21(0,0)
  silkscreen extent -2.57,-1.5 1.5,1.5, body extent -1.5,-1.5 1.5,1.5, height 0.8
QFN40P400X400X80_HS-33N [mm] "QFN, 32-Leads, Body 4.00x4.00mm, Pitch 0.40mm, Thermal Pad 3.00x3.00mm, IPC Medium Density"
  oval 0.7x0.2 smd mask+0.05: 1(-2.025,1.4) 2(-2.025,1) 3(-2.025,0.6) 4(-2.025,0.2) 5(-2.025,-0.2) 6(-2.025,-0.6) 7(-2.025,-1) 8(-2.025,-1.4) 17(2.025,-1.4) 18(2.025,-1) 19(2.025,-0.6) 20(2.025,-0.2) 21(2.025,0.2) 22(2.025,0.6) 23(2.025,1) 24(2.025,1.4)
  oval 0.2x0.7 smd mask+0.05: 9(-1.4,-2.025) 10(-1,-2.025) 11(-0.6,-2.025) 12(-0.2,-2.025) 13(0.2,-2.025) 14(0.6,-2.025) 15(1,-2.025) 16(1.4,-2.025) 25(1.4,2.025) 26(1,2.025) 27(0.6,2.025) 28(0.2,2.025) 29(-0.2,2.025) 30(-0.6,2.025) 31(-1,2.025) 32(-1.4,2.025)
  round 0.457 hole 0.203: 33(-1.1,-1.1) 33(-1.1,0) 33(-1.1,1.1) 33(0,-1.1) 33(0,1.1) 33(1.075,0) 33(1.1,-1.1) 33(1.1,1.1)
  rect 3x3 smd mask+0.05: 33(0,0)
  silkscreen extent -2.22,-2.22 2.22,2.76, body extent -2.07,-2.07 2.07,2.07, height 0.8
"RES 0402_1005" [mm] "Chip Resistor, 2-Leads, Body 1.0x0.5mm, IPC Medium Density"
  rect 0.75x0.6 smd: 1(-0.575,0) 2(0.575,0)
  silkscreen extent -1.14,-0.51 1.14,0.51, body extent -0.5,-0.25 0.5,0.25, height 0.35
"RES 0603_1608" [mm] "Chip Resistor, 2-Leads, Body 1.60x0.80mm, IPC Medium Density"
  rect 0.85x0.95 smd: 1(-0.65,0) 2(0.65,0)
  silkscreen extent -1.27,-0.7 1.27,0.7, body extent -0.8,-0.4 0.8,0.4, height 0.45
"RES 0805_2012" [mm] "Chip Resistor, 2-Leads, Body 2.00x1.25mm, IPC Medium Density"
  rect 1.15x1.35 smd: 1(-0.875,0) 2(0.875,0)
  silkscreen extent -1.7,-0.9 1.7,0.9, body extent -1,-0.62 1,0.63, height 0.6
"RES 1206_3216" [mm] "Chip Resistor, 2-Leads, Body 3.13x1.55mm, IPC Medium Density"
  rect 1.2x1.65 smd: 1(-1.4,0) 2(1.4,0)
  silkscreen extent -2.3,-1.1 2.3,1.1, body extent -1.6,-0.8 1.6,0.8, height 0.6
"RES 1210_3225" [mm] "Chip Resistor, 2-Leads, Body 3.1x2.6mm, IPC Medium Density"
  rect 1.15x2.5 smd: 1(-1.575,0) 2(1.575,0)
  silkscreen extent -2.4,-1.5 2.4,1.5, body extent -1.6,-1.25 1.6,1.25, height 0.7
"SILICON LABS QFN-28 5x5MM" [mm] "QFN, 28-Leads, Body 5.00x5.00mm, Pitch 0.50mm, Thermal Pad 3.35x3.35mm, IPC Medium Density"
  oval 0.95x0.3 smd: 1(-2.4,1.5) 2(-2.4,1) 3(-2.4,0.5) 4(-2.4,0) 5(-2.4,-0.5) 6(-2.4,-1) 7(-2.4,-1.5) 15(2.4,-1.5) 16(2.4,-1) 17(2.4,-0.5) 18(2.4,0) 19(2.4,0.5) 20(2.4,1) 21(2.4,1.5)
  oval 0.3x0.95 smd: 8(-1.5,-2.4) 9(-1,-2.4) 10(-0.5,-2.4) 11(0,-2.4) 12(0.5,-2.4) 13(1,-2.4) 14(1.5,-2.4) 22(1.5,2.4) 23(1,2.4) 24(0.5,2.4) 25(0,2.4) 26(-0.5,2.4) 27(-1,2.4) 28(-1.5,2.4)
  rect 3.35x3.35 smd: 29(0,0)
  silkscreen extent -2.65,-2.65 2.65,3.2, body extent -2.51,-2.51 2.51,2.51, height 0.8
SOIC127P600X175-8N [mm]
  rrect25% 1.97x0.6 smd: 1(-2.475,1.905) 2(-2.475,0.635) 3(-2.475,-0.635) 4(-2.475,-1.905) 5(2.475,-1.905) 6(2.475,-0.635) 7(2.475,0.635) 8(2.475,1.905)
  silkscreen extent -4.54,-2.52 2,2.6, body extent -3,-2.45 3,2.45, height 1.75
SON65P200X200X80-7N [mm]
  rect 0.66x0.32 smd: 1(-1.025,0.65) 2(-1.025,0) 3(-1.025,-0.65) 4(1.025,-0.65) 5(1.025,0) 6(1.025,0.65)
  rect 1x1.6 smd paste-2: 7(0,0)
  silkscreen extent -2.01,-1.13 1,1.13, body extent -1,-1 1,1, height 0.72
SOP65P640X120-14N [mm]
  rrect25% 1.57x0.41 smd: 1(-2.87,1.95) 2(-2.87,1.3) 3(-2.87,0.65) 4(-2.87,0) 5(-2.87,-0.65) 6(-2.87,-1.3) 7(-2.87,-1.95) 8(2.87,-1.95) 9(2.87,-1.3) 10(2.87,-0.65) 11(2.87,0) 12(2.87,0.65) 13(2.87,1.3) 14(2.87,1.95)
  silkscreen extent -4.34,-2.5 2.2,2.5, body extent -3.2,-2.5 3.2,2.5, height 1.2
SOT95P240X111-3N [mm]
  rrect25% 1.23x0.6 smd: 1(-1.06,0.95) 2(-1.06,-0.95) 3(1.06,0)
  silkscreen extent -2.6,-1.46 0.65,1.46, body extent -1.2,-1.45 1.2,1.45, height 1.11
SOT95P240X120-3N [mm]
  rect 1x1.4 smd: 1(-0.95,-1.1) 2(0.95,-1.1) 3(0,1.1)
  silkscreen extent -1.9,-1.9 1.45,0.65, body extent -1.45,-1.25 1.45,1.25, height 1.1
TRXDFN69X60X35-3N [mm]
  rect 0.27x0.17 smd mask+0.05: 1(-0.175,0.175) 2(-0.175,-0.175)
  rect 0.17x0.52 smd mask+0.05: 3(0.225,0)
  silkscreen extent -0.85,0.25 -0.75,0.35, body extent -0.35,-0.3 0.35,0.3, height 0.35
TSM-102-01-L-SV [mm]
  rect 1.27x3.43 smd mask+0.051: 1(-1.27,1.46) 2(1.27,-1.46)
TSOP65P640X120-20N [mm] "TSOP, 20-Leads, Body 6.50x4.40mm, Pitch 0.65mm, IPC Medium Density"
  oval 1.4x0.45 smd mask+0.05: 1(-2.95,2.925) 2(-2.95,2.275) 3(-2.95,1.625) 4(-2.95,0.975) 5(-2.95,0.325) 6(-2.95,-0.325) 7(-2.95,-0.975) 8(-2.95,-1.625) 9(-2.95,-2.275) 10(-2.95,-2.925) 11(2.95,-2.925) 12(2.95,-2.275) 13(2.95,-1.625) 14(2.95,-0.975) 15(2.95,-0.325) 16(2.95,0.325) 17(2.95,0.975) 18(2.95,1.625) 19(2.95,2.275) 20(2.95,2.925)
  silkscreen extent -3.07,-3.3 1.85,3.82, body extent -2.25,-3.3 2.25,3.3, height 1.2
